# KiCad board open-TWIST_rev0.kicad_pcb (continued)
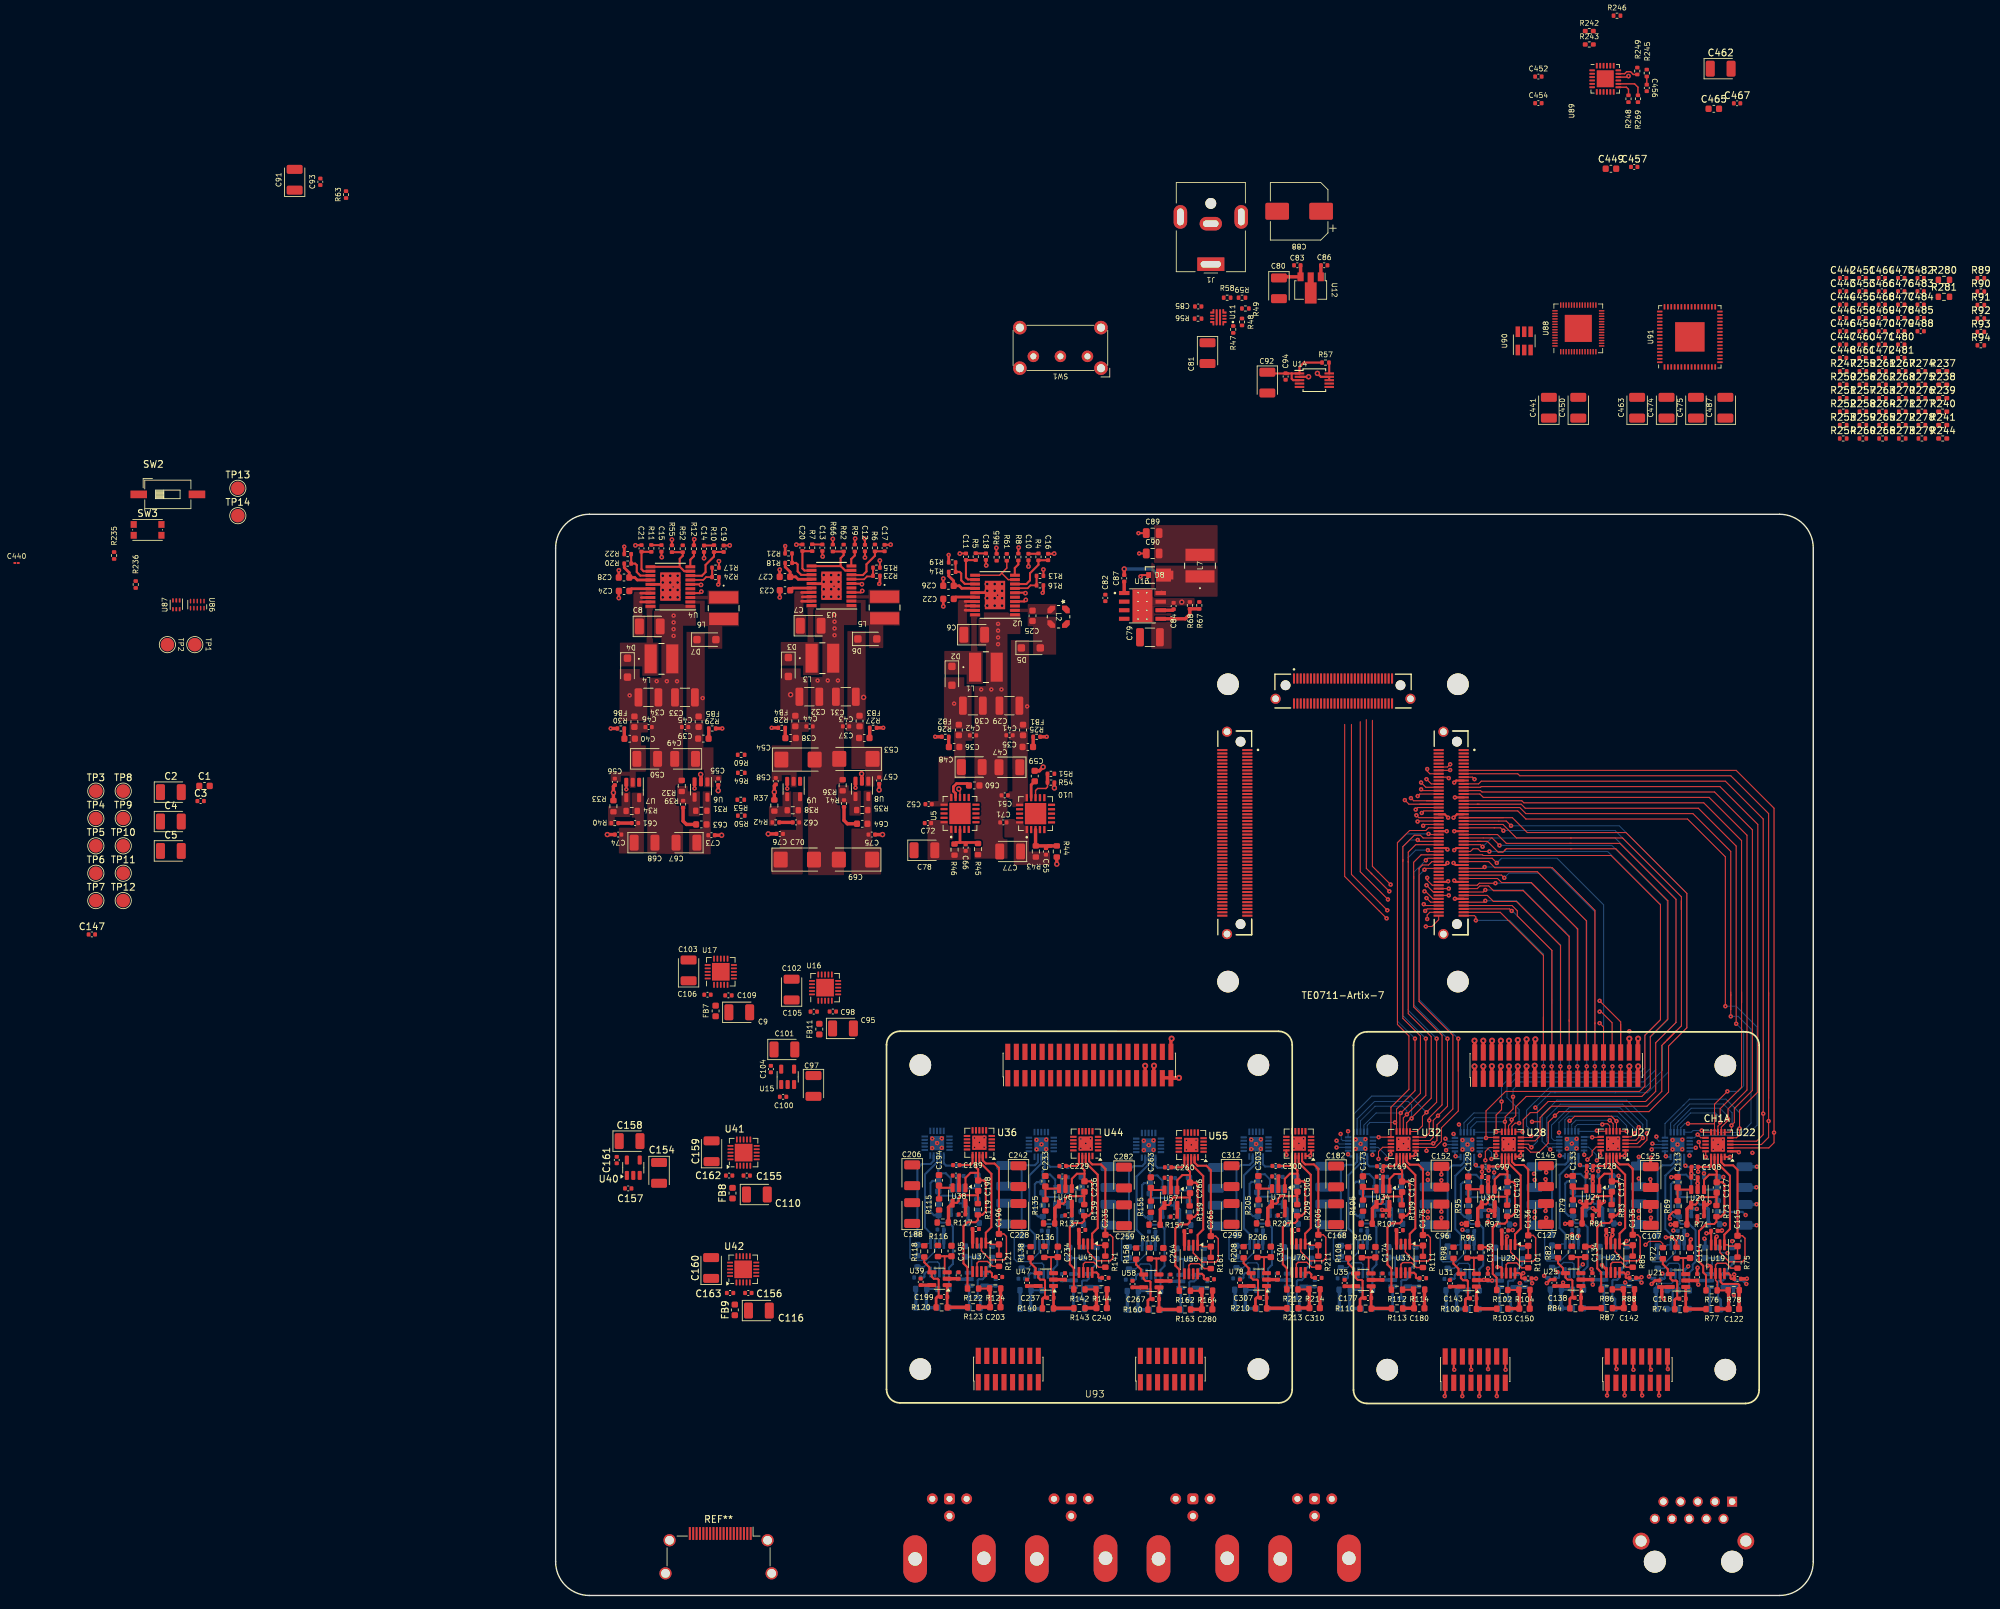
[diagram p0: board, top side]
## Placement (name value [footprint] x y rotation side) (continued)
C326  100nF  [C_0402_1005Metric]  100.69 46.92 0 bottom
C327  10uF  [CP_EIA-3528-21_Kemet-B]  113.53 61.97 270 bottom
C328  100nF  [C_0402_1005Metric]  104.13 54.02 0 bottom
C329  10uF  [CP_EIA-3528-21_Kemet-B]  97.64 56.21 90 bottom
C330  100nF  [C_0402_1005Metric]  91.11 63.3 180 bottom
C331  100nF  [C_0402_1005Metric]  91.16 61.75 180 bottom
C332  100nF  [C_0402_1005Metric]  90.26 56 180 bottom
C333  1uF  [C_0603_1608Metric]  93.67 61.04 270 bottom
C334  1uF  [C_0603_1608Metric]  91.83 50.59 270 bottom
C335  62pF  [C_0603_1608Metric]  84.8 52.34 270 bottom
C336  680nF  [C_0603_1608Metric]  87.88 60.26 90 bottom
C337  100nF  [C_0402_1005Metric]  92.92 43.8 180 bottom
C338  100nF  [C_0402_1005Metric]  90.77 46.97 270 bottom
C339  100nF  [C_0402_1005Metric]  96.38 46.02 270 bottom
C340  15pF  [C_0603_1608Metric]  85.35 42.28 180 bottom
C341  100nF  [C_0402_1005Metric]  84.8 46.74 0 bottom
C342  10uF  [CP_EIA-3528-21_Kemet-B]  97.64 61.79 270 bottom
C343  100nF  [C_0402_1005Metric]  88.24 53.84 0 bottom
C344  10uF  [CP_EIA-3528-21_Kemet-B]  128.98 56.4 90 bottom
C345  100nF  [C_0402_1005Metric]  122.45 63.5 180 bottom
C346  100nF  [C_0402_1005Metric]  122.5 61.95 180 bottom
C347  100nF  [C_0402_1005Metric]  121.6 56.2 180 bottom
C348  1uF  [C_0603_1608Metric]  125.01 61.24 270 bottom
C349  1uF  [C_0603_1608Metric]  123.16 50.79 270 bottom
C350  62pF  [C_0603_1608Metric]  116.14 52.54 270 bottom
C351  680nF  [C_0603_1608Metric]  119.22 60.45 90 bottom
C352  100nF  [C_0402_1005Metric]  124.26 43.99 180 bottom
C353  100nF  [C_0402_1005Metric]  122.11 47.16 270 bottom
C354  100nF  [C_0402_1005Metric]  127.72 46.21 270 bottom
C355  15pF  [C_0603_1608Metric]  116.69 42.48 180 bottom
C356  100nF  [C_0402_1005Metric]  116.14 46.94 0 bottom
C357  10uF  [CP_EIA-3528-21_Kemet-B]  128.98 61.99 270 bottom
C358  100nF  [C_0402_1005Metric]  119.58 54.04 0 bottom
C440  100nF  [C_01005_0402Metric]  -79.72 152.79 0 top
C441  10uF  [CP_EIA-3528-21_Kemet-B]  146.9 175.77 90 top
C442  100nF  [C_0402_1005Metric]  190.41 194.96 0 top
C443  100nF  [C_0402_1005Metric]  190.41 192.99 0 top
C444  100nF  [C_0402_1005Metric]  190.41 191.02 0 top
C445  100nF  [C_0402_1005Metric]  190.41 189.05 0 top
C446  100nF  [C_0402_1005Metric]  190.41 187.08 0 top
C447  xxpF  [C_0402_1005Metric]  190.41 185.11 0 top
C448  100nF  [C_0402_1005Metric]  190.41 183.14 0 top
C449  1uF  [C_0603_1608Metric]  156.08 211.13 0 top
C450  10uF  [CP_EIA-3528-21_Kemet-B]  151.25 175.77 90 top
C451  xxpF  [C_0402_1005Metric]  193.28 194.96 0 top
C452  xxpF  [C_0402_1005Metric]  145.35 224.77 0 top
C453  100nF  [C_0402_1005Metric]  193.28 192.99 0 top
C454  100nF  [C_0402_1005Metric]  145.35 220.83 0 top
C455  100nF  [C_0402_1005Metric]  193.28 191.02 0 top
C456  100nF  [C_0402_1005Metric]  161.38 223.09 270 top
C457  xxpF  [C_0402_1005Metric]  159.52 211.4 0 top
C458  100nF  [C_0402_1005Metric]  193.28 189.05 0 top
C459  100nF  [C_0402_1005Metric]  193.28 187.08 0 top
C460  100nF  [C_0402_1005Metric]  193.28 185.11 0 top
C461  100nF  [C_0402_1005Metric]  193.28 183.14 0 top
C462  10uF  [CP_EIA-3528-21_Kemet-B]  172.31 225.94 0 top
C463  10uF  [CP_EIA-3528-21_Kemet-B]  159.95 175.77 90 top
C464  100nF  [C_0402_1005Metric]  196.15 194.96 0 top
C465  1uF  [C_0603_1608Metric]  171.29 220 0 top
C466  100nF  [C_0402_1005Metric]  196.15 192.99 0 top
C467  100nF  [C_0402_1005Metric]  174.73 220.81 0 top
C468  100nF  [C_0402_1005Metric]  196.15 191.02 0 top
C469  100nF  [C_0402_1005Metric]  196.15 189.05 0 top
C470  100nF  [C_0402_1005Metric]  196.15 187.08 0 top
C471  100nF  [C_0402_1005Metric]  196.15 185.11 0 top
C472  xxpF  [C_0402_1005Metric]  196.15 183.14 0 top
C473  xxpF  [C_0402_1005Metric]  199.02 194.96 0 top
C474  10uF  [CP_EIA-3528-21_Kemet-B]  164.3 175.77 90 top
C475  10uF  [CP_EIA-3528-21_Kemet-B]  168.65 175.77 90 top
C476  100nF  [C_0402_1005Metric]  199.02 192.99 0 top
C477  100nF  [C_0402_1005Metric]  199.02 191.02 0 top
C478  100nF  [C_0402_1005Metric]  199.02 189.05 0 top
C479  100nF  [C_0402_1005Metric]  199.02 187.08 0 top
C480  100nF  [C_0402_1005Metric]  199.02 185.11 0 top
C481  100nF  [C_0402_1005Metric]  199.02 183.14 0 top
C482  100nF  [C_0402_1005Metric]  201.89 194.96 0 top
C483  100nF  [C_0402_1005Metric]  201.89 192.99 0 top
C484  100nF  [C_0402_1005Metric]  201.89 191.02 0 top
C485  100nF  [C_0402_1005Metric]  201.89 189.05 0 top
C487  10uF  [CP_EIA-3528-21_Kemet-B]  173 175.77 90 top
C488  100nF  [C_0402_1005Metric]  201.89 187.08 0 top
D2  DFLS240  [D_SOD-123F]  58.61 136.1 270 top
D3  DFLS240  [D_SOD-123F]  34.42 137.4 270 top
D4  DFLS240  [D_SOD-123F]  10.62 137.3 270 top
D5  DFLS240  [D_SOD-123F]  70.28 140.22 0 top
D6  DFLS240  [D_SOD-123F]  46.1 141.55 0 top
D7  DFLS240  [D_SOD-123F]  22.3 141.45 0 top
D8  V5NM63-M3/I  [V5NM63]  89.33 151 0 top
FB1  MPZ1608S101ATAH0  [L_0603_1608Metric]  69.13 128.07 270 top
FB2  MPZ1608S101ATAH0  [L_0603_1608Metric]  59.63 128.07 270 top
FB3  MPZ1608S101ATAH0  [L_0603_1608Metric]  44.95 129.4 270 top
FB4  MPZ1608S101ATAH0  [L_0603_1608Metric]  35.45 129.4 270 top
FB5  MPZ1608S101ATAH0  [L_0603_1608Metric]  21.15 129.3 270 top
FB6  MPZ1608S101ATAH0  [L_0603_1608Metric]  11.65 129.3 270 top
FB7  MPZ1608S101ATAH0  [L_0603_1608Metric]  23.66 86.5 90 top
FB8  MPZ1608S101ATAH0  [L_0603_1608Metric]  26.16 59.54 270 top
FB9  MPZ1608S101ATAH0  [L_0603_1608Metric]  26.5 42.26 90 top
FB11  MPZ1608S101ATAH0  [L_0603_1608Metric]  39 83.81 90 top
J1  Jack-DC  [BarrelJack_CUI_PJ-063AH_Horizontal]  96.9 197 180 top
J3  SS-641010S-A-NF  [BEL_SS-641010S-A-NF]  168.28 5 180 bottom
L1  74438357047 4.7uH  [IND_WE-MAPI_4020_WRE]  63.64 137.38 0 top
L2  LPD3015-222 2.2uH  [LPD3015-222]  74.38 144.84 270 top
L3  74438357068 6.8uH  [IND_WE-MAPI_4020_WRE]  39.46 138.7 0 top
L4  74438357068 6.8uH  [IND_WE-MAPI_4020_WRE]  15.66 138.6 0 top
L5  74438357068 6.8uH  [IND_WE-MAPI_4020_WRE]  48.65 146.2 270 top
L6  74438357068 6.8uH  [IND_WE-MAPI_4020_WRE]  24.85 146.1 270 top
L7  74438356022 2.2uH  [IND_WE-MAPI_4020_WRE]  95.3 152.4 90 top
R4  6k8  [R_0402_1005Metric]  71.41 153.69 270 top
R5  6k8  [R_0402_1005Metric]  62.13 153.72 90 top
R6  8k2  [R_0402_1005Metric]  47.22 155.02 270 top
R7  15k  [R_0402_1005Metric]  37.95 155.05 270 top
R8  100k  [R_0402_1005Metric]  68.43 153.68 270 top
R9  100k  [R_0402_1005Metric]  44.25 155 270 top
R10  8k2  [R_0402_1005Metric]  23.42 154.92 270 top
R11  12k  [R_0402_1005Metric]  14.15 154.95 270 top
R12  100k  [R_0402_1005Metric]  20.45 154.9 270 top
R13  110k  [R_0402_1005Metric]  71.63 150.88 180 top
R14  156k  [R_0402_1005Metric]  58.64 151.47 180 top
R15  122k  [R_0402_1005Metric]  47.45 152.1 0 top
R16  715k  [R_0402_1005Metric]  71.63 149.47 0 top
R17  102k  [R_0402_1005Metric]  23.65 152.1 0 top
R18  116k  [R_0402_1005Metric]  34.46 152.8 180 top
R19  1M33  [R_0402_1005Metric]  58.64 152.88 0 top
R20  110k  [R_0402_1005Metric]  10.66 152.7 180 top
R21  3M16  [R_0402_1005Metric]  34.45 154.2 180 top
R22  2M55  [R_0402_1005Metric]  10.66 154.1 180 top
R23  3M09  [R_0402_1005Metric]  47.45 150.9 0 top
R24  2M15  [R_0402_1005Metric]  23.65 150.7 0 top
R25  2R  [R_0402_1005Metric]  71.14 127.08 180 top
R26  2R  [R_0402_1005Metric]  57.63 127.08 180 top
R27  2R  [R_0402_1005Metric]  46.96 128.4 180 top
R28  2R  [R_0402_1005Metric]  33.45 128.4 180 top
R29  2R  [R_0402_1005Metric]  23.16 128.3 180 top
R30  2R  [R_0402_1005Metric]  9.65 128.3 180 top
R31  42k7 .1%  [R_0603_1608Metric]  21.55 116.12 180 top
R32  3K3 .1%  [R_0603_1608Metric]  18.65 119.8 90 top
R33  3K32 .1%  [R_0603_1608Metric]  8.55 116.8 270 top
R34  42K2 .1%  [R_0603_1608Metric]  11.25 116.1 0 top
R35  51k  [R_0603_1608Metric]  45.35 116.22 180 top
R36  3k25  [R_0603_1608Metric]  42.45 119.9 90 top
R37  3k35  [R_0603_1608Metric]  32.35 116.9 270 top
R38  51k5  [R_0603_1608Metric]  35.08 116.2 0 top
R39  330R  [R_0402_1005Metric]  18.85 117.1 270 top
R40  3k3  [R_0402_1005Metric]  8.75 114.3 0 top
R41  330R  [R_0402_1005Metric]  42.65 117.2 270 top
R42  3k3  [R_0402_1005Metric]  32.55 114.4 0 top
R43  25k7 .1%  [R_0603_1608Metric]  71.02 110.1 270 top
R44  10k .1%  [R_0603_1608Metric]  74.12 110.1 90 top
R45  102k .1%  [R_0603_1608Metric]  62.47 110.45 270 top
R46  332k .1%  [R_0603_1608Metric]  59 110.38 90 top
R47  470k  [R_0402_1005Metric]  100.22 187.35 270 top
R48  115k  [R_0402_1005Metric]  101.52 188.46 90 top
R49  57k  [R_0402_1005Metric]  102.02 190.45 0 top
R50  82k  [R_0402_1005Metric]  27.46 115.4 180 top
R51  82k  [R_0402_1005Metric]  73.26 121.59 180 top
R52  82k  [R_0402_1005Metric]  18.8 154.9 270 top
R53  47k  [R_0402_1005Metric]  27.39 117.75 180 top
R54  47k  [R_0402_1005Metric]  73.26 120.29 180 top
R55  47k  [R_0402_1005Metric]  17.2 154.9 270 top
R56  ??  [R_0402_1005Metric]  95.02 188.95 180 top
R57  23k  [R_0402_1005Metric]  113.86 182.45 0 top
R58  47k  [R_0402_1005Metric]  99.31 192.05 0 top
R59  15k8  [R_0402_1005Metric]  101.52 192.05 0 top
R60  82k  [R_0402_1005Metric]  27.44 124.4 180 top
R61  82k  [R_0402_1005Metric]  66.72 153.63 270 top
R62  82k  [R_0402_1005Metric]  42.6 155 270 top
R63  10k  [R_0402_1005Metric]  -31 207.3 90 top
R64  47k  [R_0402_1005Metric]  27.46 121.73 180 top
R65  47k  [R_0402_1005Metric]  65.22 153.63 270 top
R66  47k  [R_0402_1005Metric]  41 155 270 top
R67  100k  [R_0402_1005Metric]  95.2 146.51 90 top
R68  29k4  [R_0402_1005Metric]  93.8 146.51 270 top
R69  15k  [R_0603_1608Metric]  165.94 57.59 90 top
R70  15k  [R_0603_1608Metric]  165.78 50.71 270 top
R71  1k  [R_0603_1608Metric]  166.49 54.92 0 top
R72  10k 0.1%  [R_0603_1608Metric]  163.75 50.66 270 top
R73  2k3  [R_0603_1608Metric]  171.68 56.89 270 top
R74  10k 0.1%  [R_0603_1608Metric]  166.32 42.36 0 top
R75  10k 0.1%  [R_0603_1608Metric]  174.8 49.26 90 top
R76  20k  [R_0603_1608Metric]  170.97 45.15 180 top
R77  20k  [R_0603_1608Metric]  170.97 42.38 180 top
R78  20k 0.1%  [R_0603_1608Metric]  174.24 45.17 0 top
R79  15k  [R_0603_1608Metric]  150.44 57.73 90 top
R80  15k  [R_0603_1608Metric]  150.28 50.85 270 top
R81  1k  [R_0603_1608Metric]  150.99 55.06 0 top
R82  10k 0.1%  [R_0603_1608Metric]  148.25 50.8 270 top
R83  2k3  [R_0603_1608Metric]  156.18 57.03 270 top
R84  10k 0.1%  [R_0603_1608Metric]  150.82 42.5 0 top
R85  10k 0.1%  [R_0603_1608Metric]  159.3 49.4 90 top
R86  20k  [R_0603_1608Metric]  155.47 45.29 180 top
R87  20k  [R_0603_1608Metric]  155.47 42.52 180 top
R88  20k 0.1%  [R_0603_1608Metric]  158.74 45.31 0 top
R89  10k  [R_0402_1005Metric]  210.79 194.95 0 top
R90  10k  [R_0402_1005Metric]  210.79 192.96 0 top
R91  10k  [R_0402_1005Metric]  210.79 190.97 0 top
R92  10k  [R_0402_1005Metric]  210.79 188.98 0 top
R93  10k  [R_0402_1005Metric]  210.79 186.99 0 top
R94  10k  [R_0402_1005Metric]  210.79 185 0 top
R95  15k  [R_0603_1608Metric]  134.98 57.64 90 top
R96  15k  [R_0603_1608Metric]  134.82 50.76 270 top
R97  1k  [R_0603_1608Metric]  135.53 54.97 0 top
R98  10k 0.1%  [R_0603_1608Metric]  132.79 50.71 270 top
R99  2k3  [R_0603_1608Metric]  140.72 56.94 270 top
R100  10k 0.1%  [R_0603_1608Metric]  135.37 42.41 0 top
R101  10k 0.1%  [R_0603_1608Metric]  143.84 49.31 90 top
R102  20k  [R_0603_1608Metric]  140 45.21 180 top
R103  20k  [R_0603_1608Metric]  140.01 42.44 180 top
R104  20k 0.1%  [R_0603_1608Metric]  143.28 45.22 0 top
R105  15k  [R_0603_1608Metric]  119.41 57.69 90 top
R106  15k  [R_0603_1608Metric]  119.25 50.81 270 top
R107  1k  [R_0603_1608Metric]  119.96 55.02 0 top
R108  10k 0.1%  [R_0603_1608Metric]  117.22 50.76 270 top
R109  2k3  [R_0603_1608Metric]  125.15 56.98 270 top
R110  10k 0.1%  [R_0603_1608Metric]  119.79 42.46 0 top
R111  10k 0.1%  [R_0603_1608Metric]  128.27 49.36 90 top
R112  20k  [R_0603_1608Metric]  124.44 45.25 180 top
R113  20k  [R_0603_1608Metric]  124.44 42.48 180 top
R114  20k 0.1%  [R_0603_1608Metric]  127.71 45.27 0 top
R115  15k  [R_0603_1608Metric]  56.71 57.86 90 top
R116  15k  [R_0603_1608Metric]  56.55 50.98 270 top
R117  1k  [R_0603_1608Metric]  57.26 55.19 0 top
R118  10k 0.1%  [R_0603_1608Metric]  54.52 50.93 270 top
R119  2k3  [R_0603_1608Metric]  62.45 57.16 270 top
R120  10k 0.1%  [R_0603_1608Metric]  57.09 42.63 0 top
R121  10k 0.1%  [R_0603_1608Metric]  65.57 49.53 90 top
R122  20k  [R_0603_1608Metric]  61.73 45.42 180 top
R123  20k  [R_0603_1608Metric]  61.75 42.65 180 top
R124  20k 0.1%  [R_0603_1608Metric]  65.01 45.44 0 top
R125  15k  [R_0603_1608Metric]  62.37 57.79 90 bottom
R126  15k  [R_0603_1608Metric]  62.53 50.91 270 bottom
R127  1k  [R_0603_1608Metric]  61.82 55.12 180 bottom
R128  10k 0.1%  [R_0603_1608Metric]  64.56 50.86 270 bottom
R129  2k3  [R_0603_1608Metric]  56.63 57.08 270 bottom
R130  10k 0.1%  [R_0603_1608Metric]  61.98 42.56 180 bottom
R131  10k 0.1%  [R_0603_1608Metric]  53.51 49.46 90 bottom
R132  20k  [R_0603_1608Metric]  57.34 45.35 0 bottom
R133  20k  [R_0603_1608Metric]  57.33 42.58 0 bottom
R134  20k 0.1%  [R_0603_1608Metric]  54.07 45.37 180 bottom
R135  15k  [R_0603_1608Metric]  72.44 57.73 90 top
R136  15k  [R_0603_1608Metric]  72.28 50.85 270 top
R137  1k  [R_0603_1608Metric]  72.99 55.06 0 top
R138  10k 0.1%  [R_0603_1608Metric]  70.25 50.8 270 top
R139  2k3  [R_0603_1608Metric]  78.18 57.03 270 top
R140  10k 0.1%  [R_0603_1608Metric]  72.83 42.5 0 top
R141  10k 0.1%  [R_0603_1608Metric]  81.3 49.4 90 top
R142  20k  [R_0603_1608Metric]  77.47 45.29 180 top
R143  20k  [R_0603_1608Metric]  77.47 42.52 180 top
R144  20k 0.1%  [R_0603_1608Metric]  80.74 45.31 0 top
R145  15k  [R_0603_1608Metric]  77.79 57.61 90 bottom
R146  15k  [R_0603_1608Metric]  77.95 50.72 270 bottom
R147  1k  [R_0603_1608Metric]  77.24 54.94 180 bottom
R148  10k 0.1%  [R_0603_1608Metric]  79.98 50.67 270 bottom
R149  2k3  [R_0603_1608Metric]  72.05 56.9 270 bottom
R150  10k 0.1%  [R_0603_1608Metric]  77.41 42.38 180 bottom
R151  10k 0.1%  [R_0603_1608Metric]  68.93 49.28 90 bottom
R152  20k  [R_0603_1608Metric]  72.77 45.17 0 bottom
R153  20k  [R_0603_1608Metric]  72.76 42.4 0 bottom
R154  20k 0.1%  [R_0603_1608Metric]  69.49 45.19 180 bottom
R155  15k  [R_0603_1608Metric]  88.04 57.53 90 top
R156  15k  [R_0603_1608Metric]  87.88 50.65 270 top
R157  1k  [R_0603_1608Metric]  88.59 54.86 0 top
R158  10k 0.1%  [R_0603_1608Metric]  85.85 50.6 270 top
R159  2k3  [R_0603_1608Metric]  93.78 56.83 270 top
R160  10k 0.1%  [R_0603_1608Metric]  88.42 42.3 0 top
R161  10k 0.1%  [R_0603_1608Metric]  96.9 49.2 90 top
R162  20k  [R_0603_1608Metric]  93.06 45.09 180 top
R163  20k  [R_0603_1608Metric]  93.08 42.32 180 top
R164  20k 0.1%  [R_0603_1608Metric]  96.34 45.11 0 top
R165  15k  [R_0603_1608Metric]  140.8 57.58 90 bottom
R166  15k  [R_0603_1608Metric]  140.96 50.69 270 bottom
R167  1k  [R_0603_1608Metric]  140.25 54.91 180 bottom
R168  10k 0.1%  [R_0603_1608Metric]  142.99 50.64 270 bottom
R169  2k3  [R_0603_1608Metric]  135.06 56.87 270 bottom
R170  10k 0.1%  [R_0603_1608Metric]  140.42 42.35 180 bottom
R171  10k 0.1%  [R_0603_1608Metric]  131.94 49.25 90 bottom
R172  20k  [R_0603_1608Metric]  135.78 45.14 0 bottom
R173  20k  [R_0603_1608Metric]  135.77 42.37 0 bottom
R174  20k 0.1%  [R_0603_1608Metric]  132.5 45.16 180 bottom
R175  15k  [R_0603_1608Metric]  171.86 57.59 90 bottom
R176  15k  [R_0603_1608Metric]  172.03 50.71 270 bottom
R177  1k  [R_0603_1608Metric]  171.31 54.92 180 bottom
R178  10k 0.1%  [R_0603_1608Metric]  174.05 50.66 270 bottom
R179  2k3  [R_0603_1608Metric]  166.12 56.89 270 bottom
R180  10k 0.1%  [R_0603_1608Metric]  171.48 42.36 180 bottom
R181  10k 0.1%  [R_0603_1608Metric]  163 49.26 90 bottom
R182  20k  [R_0603_1608Metric]  166.84 45.15 0 bottom
R183  20k  [R_0603_1608Metric]  166.83 42.38 0 bottom
R184  20k 0.1%  [R_0603_1608Metric]  163.56 45.17 180 bottom
R185  15k  [R_0603_1608Metric]  156.23 57.71 90 bottom
R186  15k  [R_0603_1608Metric]  156.4 50.83 270 bottom
R187  1k  [R_0603_1608Metric]  155.68 55.04 180 bottom
R188  10k 0.1%  [R_0603_1608Metric]  158.42 50.78 270 bottom
R189  2k3  [R_0603_1608Metric]  150.49 57 270 bottom
R190  10k 0.1%  [R_0603_1608Metric]  155.85 42.48 180 bottom
R191  10k 0.1%  [R_0603_1608Metric]  147.37 49.38 90 bottom
R192  20k  [R_0603_1608Metric]  151.21 45.27 0 bottom
R193  20k  [R_0603_1608Metric]  151.2 42.5 0 bottom
R194  20k 0.1%  [R_0603_1608Metric]  147.93 45.29 180 bottom
R195  15k  [R_0603_1608Metric]  109.55 57.65 90 bottom
R196  15k  [R_0603_1608Metric]  109.72 50.77 270 bottom
R197  1k  [R_0603_1608Metric]  109 54.98 180 bottom
R198  10k 0.1%  [R_0603_1608Metric]  111.74 50.72 270 bottom
R199  2k3  [R_0603_1608Metric]  103.81 56.95 270 bottom
R200  10k 0.1%  [R_0603_1608Metric]  109.17 42.42 180 bottom
R201  10k 0.1%  [R_0603_1608Metric]  100.69 49.32 90 bottom
R202  20k  [R_0603_1608Metric]  104.53 45.21 0 bottom
R203  20k  [R_0603_1608Metric]  104.52 42.44 0 bottom
R204  20k 0.1%  [R_0603_1608Metric]  101.26 45.23 180 bottom
R205  15k  [R_0603_1608Metric]  103.94 57.73 90 top
R206  15k  [R_0603_1608Metric]  103.78 50.85 270 top
R207  1k  [R_0603_1608Metric]  104.49 55.06 0 top
R208  10k 0.1%  [R_0603_1608Metric]  101.75 50.8 270 top
R209  2k3  [R_0603_1608Metric]  109.68 57.03 270 top
R210  10k 0.1%  [R_0603_1608Metric]  104.33 42.5 0 top
R211  10k 0.1%  [R_0603_1608Metric]  112.8 49.4 90 top
R212  20k  [R_0603_1608Metric]  108.97 45.29 180 top
R213  20k  [R_0603_1608Metric]  108.97 42.52 180 top
R214  20k 0.1%  [R_0603_1608Metric]  112.24 45.31 0 top
R215  15k  [R_0603_1608Metric]  93.66 57.47 90 bottom
R216  15k  [R_0603_1608Metric]  93.83 50.59 270 bottom
R217  1k  [R_0603_1608Metric]  93.11 54.8 180 bottom
R218  10k 0.1%  [R_0603_1608Metric]  95.85 50.54 270 bottom
R219  2k3  [R_0603_1608Metric]  87.92 56.77 270 bottom
R220  10k 0.1%  [R_0603_1608Metric]  93.28 42.24 180 bottom
R221  10k 0.1%  [R_0603_1608Metric]  84.8 49.14 90 bottom
R222  20k  [R_0603_1608Metric]  88.64 45.03 0 bottom
R223  20k  [R_0603_1608Metric]  88.63 42.26 0 bottom
R224  20k 0.1%  [R_0603_1608Metric]  85.36 45.05 180 bottom
R225  15k  [R_0603_1608Metric]  125 57.67 90 bottom
R226  15k  [R_0603_1608Metric]  125.16 50.79 270 bottom
R227  1k  [R_0603_1608Metric]  124.45 55 180 bottom
R228  10k 0.1%  [R_0603_1608Metric]  127.19 50.74 270 bottom
R229  2k3  [R_0603_1608Metric]  119.26 56.97 270 bottom
R230  10k 0.1%  [R_0603_1608Metric]  124.62 42.44 180 bottom
R231  10k 0.1%  [R_0603_1608Metric]  116.14 49.34 90 bottom
R232  20k  [R_0603_1608Metric]  119.98 45.23 0 bottom
R233  20k  [R_0603_1608Metric]  119.97 42.46 0 bottom
R234  20k 0.1%  [R_0603_1608Metric]  116.7 45.25 180 bottom
R235  5k1  [R_0402_1005Metric]  -65.3 153.9 90 top
R236  5k1  [R_0402_1005Metric]  -62.1 149.6 90 top
R237  10k  [R_0402_1005Metric_Pad0.72x0.64mm_HandSolder]  205.15 181.16 0 top
R238  10k  [R_0402_1005Metric_Pad0.72x0.64mm_HandSolder]  205.15 179.17 0 top
R239  10k  [R_0402_1005Metric_Pad0.72x0.64mm_HandSolder]  205.15 177.18 0 top
R240  10k  [R_0402_1005Metric_Pad0.72x0.64mm_HandSolder]  205.15 175.19 0 top
R241  10k  [R_0402_1005Metric_Pad0.72x0.64mm_HandSolder]  205.15 173.2 0 top
R242  100k  [R_0402_1005Metric_Pad0.72x0.64mm_HandSolder]  152.88 231.51 0 top
R243  100k  [R_0402_1005Metric_Pad0.72x0.64mm_HandSolder]  152.88 229.52 0 top
R244  10k  [R_0402_1005Metric_Pad0.72x0.64mm_HandSolder]  205.15 171.21 0 top
R245  100k  [R_0402_1005Metric]  161.38 225.29 90 top
R246  12k  [R_0402_1005Metric]  156.97 233.78 0 top
R247  1k6  [R_0402_1005Metric]  190.43 181.16 0 top
R248  62k  [R_0402_1005Metric]  158.68 221.49 270 top
R249  62k  [R_0402_1005Metric]  159.97 225.59 90 top
R250  33R  [R_0402_1005Metric]  190.43 179.17 0 top
R251  33R  [R_0402_1005Metric]  190.43 177.18 0 top
R252  33R  [R_0402_1005Metric]  190.43 175.19 0 top
R253  33R  [R_0402_1005Metric]  190.43 173.2 0 top
R254  33R  [R_0402_1005Metric]  190.43 171.21 0 top
R255  33R  [R_0402_1005Metric]  193.34 181.16 0 top
R256  33R  [R_0402_1005Metric]  193.34 179.17 0 top
R257  33R  [R_0402_1005Metric]  193.34 177.18 0 top
R258  33R  [R_0402_1005Metric]  193.34 175.19 0 top
R259  33R  [R_0402_1005Metric]  193.34 173.2 0 top
R260  33R  [R_0402_1005Metric]  193.34 171.21 0 top
R261  33R  [R_0402_1005Metric]  196.25 181.16 0 top
R262  33R  [R_0402_1005Metric]  196.25 179.17 0 top
R263  33R  [R_0402_1005Metric]  196.25 177.18 0 top
R264  33R  [R_0402_1005Metric]  196.25 175.19 0 top
R265  33R  [R_0402_1005Metric]  196.25 173.2 0 top
R266  33R  [R_0402_1005Metric]  196.25 171.21 0 top
R267  33R  [R_0402_1005Metric]  199.16 181.16 0 top
R268  33R  [R_0402_1005Metric]  199.16 179.17 0 top
R269  62k  [R_0402_1005Metric]  160.07 221.49 270 top
R270  10k  [R_0402_1005Metric]  199.16 177.18 0 top
R271  10k  [R_0402_1005Metric]  199.16 175.19 0 top
R272  10k  [R_0402_1005Metric]  199.16 173.2 0 top
R273  10k  [R_0402_1005Metric]  199.16 171.21 0 top
R274  12k  [R_0402_1005Metric]  202.07 181.16 0 top
R275  10k  [R_0402_1005Metric]  202.07 179.17 0 top
R276  10k  [R_0402_1005Metric]  202.07 177.18 0 top
R277  2k2  [R_0402_1005Metric]  202.07 175.19 0 top
R278  10k  [R_0402_1005Metric]  202.07 173.2 0 top
R279  10k  [R_0402_1005Metric]  202.07 171.21 0 top
R280  200R  [R_0603_1608Metric]  205.33 194.69 0 top
R281  200R  [R_0603_1608Metric]  205.33 192.18 0 top
REF**  -  [HDMI_A_Amphenol_10029449-x01xLF_Horizontal]  24.1 4.18 0 top
REF**#2  -  [BNC_Amphenol_031-6575_Horizontal]  58.25 14.3 0 bottom
REF**#3  -  [BNC_Amphenol_031-6575_Horizontal]  94.25 14.3 0 bottom
REF**#4  -  [BNC_Amphenol_031-6575_Horizontal]  112.25 14.3 0 bottom
REF**#5  -  [BNC_Amphenol_031-6575_Horizontal]  76.25 14.3 0 bottom
SW1  SW_SPDT  [SW_E-Switch_EG1224_SPDT_Angled]  78.66 183.37 180 top
SW2  JTAG_SEL  [SW_DIP_SPSTx01_Slide_6.7x4.1mm_W8.61mm_P2.54mm_LowProfile]  -57.35 162.94 0 top
SW3  SW_DIP_x01  [SW_Push_1P1T_NO_CK_KMR2]  -60.35 157.69 0 top
TP1  +6VA_DC  [TestPoint_Pad_D2.0mm]  -53.37 140.7 270 top
TP2  -6VA_DC  [TestPoint_Pad_D2.0mm]  -57.42 140.7 270 top
TP3  -VANH_DC_TP  [TestPoint_Pad_D2.0mm]  -68 119.03 0 top
TP4  +VANH_DC_TP  [TestPoint_Pad_D2.0mm]  -68 114.98 0 top
TP5  -VANL_DC_TP  [TestPoint_Pad_D2.0mm]  -68 110.93 0 top
TP6  +VANL_DC_TP  [TestPoint_Pad_D2.0mm]  -68 106.88 0 top
TP7  +5VA  [TestPoint_Pad_D2.0mm]  -68 102.83 0 top
TP8  -5VA  [TestPoint_Pad_D2.0mm]  -63.95 119.03 0 top
TP9  +VANL  [TestPoint_Pad_D2.0mm]  -63.95 114.98 0 top
TP10  -VANL  [TestPoint_Pad_D2.0mm]  -63.95 110.93 0 top
TP11  +VANH  [TestPoint_Pad_D2.0mm]  -63.95 106.88 0 top
TP12  -VANH  [TestPoint_Pad_D2.0mm]  -63.95 102.83 0 top
TP13  +3V3D  [TestPoint_Pad_D2.0mm]  -47 163.84 0 top
TP14  +5V_startup  [TestPoint_Pad_D2.0mm]  -47 159.79 0 top
U2  ADP5071  [ETSSOP-20-1EP_4.4x6.5mm_P0.65mm_EP3x4.2mm]  64.98 148.05 180 top
U3  ADP5070  [ETSSOP-20-1EP_4.4x6.5mm_P0.65mm_EP3x4.2mm]  40.8 149.43 180 top
U4  ADP5070  [ETSSOP-20-1EP_4.4x6.5mm_P0.65mm_EP3x4.2mm]  16.98 149.3 180 top
U5  -  [TPS7A3301RGWR]  59.81 115.72 90 top
U6  ADP7142AUJZ  [TSOT-23-5]  21.5 119.26 270 top
U7  ADP7182AUJZ  [TSOT-23-5]  11.4 119.2 270 top
U8  ADP7142AUJZ  [TSOT-23-5]  45.3 119.36 270 top
U9  ADP7182AUJZ  [TSOT-23-5]  35.2 119.34 270 top
U10  -  [TPS7A4701RGWR]  70.98 115.7 90 top
U11  LM73100RPWR  [IC_LM73100RPWR]  98.02 189.15 180 top
U12  L78L05_SOT89  [SOT-89-3]  111.68 193.19 270 top
U13  -  [LMR14050SDDAQ1]  86.79 146.44 0 top
U14  LTC6902  [MSOP-10_3x3mm_P0.5mm]  112.22 179.84 0 top
U15  OPA202IDBVT  [SOT-23-5]  34.31 76.75 90 top
U16  AD5676BRUZ  [LFCSP-20-1EP_4x4mm_P0.5mm_EP2.6x2.6mm]  39.85 89.95 90 top
U17  AD5676BRUZ  [LFCSP-20-1EP_4x4mm_P0.5mm_EP2.6x2.6mm]  24.42 92.3 90 top
U18  ~  [DAUGHTER_BOARD]  118 28.42 0 top
U19  ADA4807  [MSOP-8_3x3mm_P0.65mm]  171.88 49.77 270 top
U20  OPA202IDBVT  [SOT-23-5]  168.9 58.93 270 top
U21  OPA202IDBVT  [SOT-23-5]  166 46.61 180 top
U22  AD5445YCPZ  [LFCSP-20-1EP_4x4mm_P0.5mm_EP2.1x2.1mm]  171.9 66.73 180 top
U23  ADA4807  [MSOP-8_3x3mm_P0.65mm]  156.38 49.91 270 top
U24  OPA202IDBVT  [SOT-23-5]  153.4 59.07 270 top
U25  OPA202IDBVT  [SOT-23-5]  150.5 46.75 180 top
U26  -  [TE0711-Artix-7]  100.57 98.27 0 top
U27  AD5445YCPZ  [LFCSP-20-1EP_4x4mm_P0.5mm_EP2.1x2.1mm]  156.4 66.87 180 top
U28  AD5445YCPZ  [LFCSP-20-1EP_4x4mm_P0.5mm_EP2.1x2.1mm]  140.94 66.78 180 top
U29  ADA4807  [MSOP-8_3x3mm_P0.65mm]  140.92 49.83 270 top
U30  OPA202IDBVT  [SOT-23-5]  137.94 58.98 270 top
U31  OPA202IDBVT  [SOT-23-5]  135.04 46.66 180 top
U32  AD5445YCPZ  [LFCSP-20-1EP_4x4mm_P0.5mm_EP2.1x2.1mm]  125.37 66.83 180 top
U33  ADA4807  [MSOP-8_3x3mm_P0.65mm]  125.35 49.87 270 top
U34  OPA202IDBVT  [SOT-23-5]  122.37 59.03 270 top
U35  OPA202IDBVT  [SOT-23-5]  119.47 46.71 180 top
U36  AD5445YCPZ  [LFCSP-20-1EP_4x4mm_P0.5mm_EP2.1x2.1mm]  62.67 67 180 top
U37  ADA4807  [MSOP-8_3x3mm_P0.65mm]  62.65 50.04 270 top
U38  OPA202IDBVT  [SOT-23-5]  59.67 59.2 270 top
U39  OPA202IDBVT  [SOT-23-5]  56.77 46.88 180 top
U40  OPA202IDBVT  [SOT-23-5]  11.49 63.3 90 top
U41  AD5676BRUZ  [LFCSP-20-1EP_4x4mm_P0.5mm_EP2.6x2.6mm]  27.8 65.54 90 top
U42  AD5676BRUZ  [LFCSP-20-1EP_4x4mm_P0.5mm_EP2.6x2.6mm]  27.74 48.26 90 top
U43  AD5445YCPZ  [LFCSP-20-1EP_4x4mm_P0.5mm_EP2.1x2.1mm]  56.41 66.93 0 bottom
U44  AD5445YCPZ  [LFCSP-20-1EP_4x4mm_P0.5mm_EP2.1x2.1mm]  78.4 66.87 180 top
U45  ADA4807  [MSOP-8_3x3mm_P0.65mm]  78.38 49.91 270 top
U46  OPA202IDBVT  [SOT-23-5]  75.4 59.07 270 top
U47  OPA202IDBVT  [SOT-23-5]  72.5 46.75 180 top
U48  ADA4807  [MSOP-8_3x3mm_P0.65mm]  56.43 49.97 270 bottom
U49  OPA202IDBVT  [SOT-23-5]  59.41 59.12 270 bottom
U50  OPA202IDBVT  [SOT-23-5]  62.31 46.81 0 bottom
U51  AD5445YCPZ  [LFCSP-20-1EP_4x4mm_P0.5mm_EP2.1x2.1mm]  71.83 66.75 0 bottom
U52  ADA4807  [MSOP-8_3x3mm_P0.65mm]  71.86 49.79 270 bottom
U53  OPA202IDBVT  [SOT-23-5]  74.83 58.94 270 bottom
U54  OPA202IDBVT  [SOT-23-5]  77.73 46.62 0 bottom
U55  AD5445YCPZ  [LFCSP-20-1EP_4x4mm_P0.5mm_EP2.1x2.1mm]  94 66.67 180 top
U56  ADA4807  [MSOP-8_3x3mm_P0.65mm]  93.98 49.71 270 top
U57  OPA202IDBVT  [SOT-23-5]  91 58.87 270 top
U58  OPA202IDBVT  [SOT-23-5]  88.1 46.55 180 top
U59  AD5445YCPZ  [LFCSP-20-1EP_4x4mm_P0.5mm_EP2.1x2.1mm]  134.84 66.72 0 bottom
U60  ADA4807  [MSOP-8_3x3mm_P0.65mm]  134.86 49.76 270 bottom
U61  OPA202IDBVT  [SOT-23-5]  137.84 58.91 270 bottom
U62  OPA202IDBVT  [SOT-23-5]  140.74 46.59 0 bottom
U63  AD5445YCPZ  [LFCSP-20-1EP_4x4mm_P0.5mm_EP2.1x2.1mm]  165.9 66.73 0 bottom
U64  ADA4807  [MSOP-8_3x3mm_P0.65mm]  165.93 49.77 270 bottom
U65  OPA202IDBVT  [SOT-23-5]  168.9 58.93 270 bottom
U66  OPA202IDBVT  [SOT-23-5]  171.8 46.61 0 bottom
U67  AD5445YCPZ  [LFCSP-20-1EP_4x4mm_P0.5mm_EP2.1x2.1mm]  150.27 66.85 0 bottom
U68  ADA4807  [MSOP-8_3x3mm_P0.65mm]  150.29 49.89 270 bottom
U69  OPA202IDBVT  [SOT-23-5]  153.27 59.05 270 bottom
U70  OPA202IDBVT  [SOT-23-5]  156.17 46.73 0 bottom
U71  AD5445YCPZ  [LFCSP-20-1EP_4x4mm_P0.5mm_EP2.1x2.1mm]  103.59 66.79 0 bottom
U72  ADA4807  [MSOP-8_3x3mm_P0.65mm]  103.62 49.83 270 bottom
U73  OPA202IDBVT  [SOT-23-5]  106.6 58.99 270 bottom
U74  OPA202IDBVT  [SOT-23-5]  109.49 46.67 0 bottom
U75  AD5445YCPZ  [LFCSP-20-1EP_4x4mm_P0.5mm_EP2.1x2.1mm]  109.9 66.87 180 top
U76  ADA4807  [MSOP-8_3x3mm_P0.65mm]  109.88 49.91 270 top
U77  OPA202IDBVT  [SOT-23-5]  106.9 59.07 270 top
U78  OPA202IDBVT  [SOT-23-5]  104 46.75 180 top
U79  AD5445YCPZ  [LFCSP-20-1EP_4x4mm_P0.5mm_EP2.1x2.1mm]  87.7 66.61 0 bottom
U80  ADA4807  [MSOP-8_3x3mm_P0.65mm]  87.72 49.66 270 bottom
U81  OPA202IDBVT  [SOT-23-5]  90.7 58.81 270 bottom
U82  OPA202IDBVT  [SOT-23-5]  93.6 46.49 0 bottom
U83  AD5445YCPZ  [LFCSP-20-1EP_4x4mm_P0.5mm_EP2.1x2.1mm]  119.04 66.81 0 bottom
U84  ADA4807  [MSOP-8_3x3mm_P0.65mm]  119.06 49.85 270 bottom
U85  OPA202IDBVT  [SOT-23-5]  122.04 59 270 bottom
U86  ECMF04-4HSWM10  [UDFN-10_1.35x2.6mm_P0.5mm]  -53 146.62 270 top
U87  ECMF02-2AMX6  [ST_UQFN-6L_1.5x1.7mm_P0.5mm]  -56.1 146.6 270 top
U88  FT601Q-B  [QFN-56-1EP_7x7mm_P0.4mm_EP4x4mm]  151.25 187.5 90 top
U89  USB2422-I/MJ  [SQFN-24]  154.44 219.34 0 top
U90  93LC46BT-I/OT  [SOT-23-6_Handsoldering]  143.25 185.66 90 top
U91  FT2232HQ  [QFN-64-1EP_9x9mm_P0.5mm_EP4.35x4.35mm]  167.75 186.25 90 top
U92  OPA202IDBVT  [SOT-23-5]  124.94 46.69 0 bottom
U93  ~  [DAUGHTER_BOARD]  48.94 28.5 0 top

## Library data of the parts
C1 C3 C10-C46 C51 C52 C55-C66 C71-C76 C79 C82-C87 C89 C90 C93 C94 C98-C100 C104-C106 C108 C109 C111-C115 C117-C124 C126 C128-C144 C146-C151 C153 C155-C157 C161-C163 C165-C167 C169-C181 C183-C187 C189-C203 C205 C207 C208 C210-C221 C223 C225-C227 C229-C241 C243-C251 C253 C255-C258 C260-C277 C279-C281 C283 C285-C296 C298 C300-C311 C313 C315-C326 C328 C330-C341 C343 C345-C356 C358 C440 C442-C449 C451-C461 C464-C473 C476-C485 C488 = -: ki_fp_filters: C_*
C2 C4-C9 C47-C50 C53 C54 C67-C70 C77 C78 C80 C81 C88 C91 C92 C95-C97 C101-C103 C107 C110 C116 C125 C127 C145 C152 C154 C158-C160 C164 C168 C182 C188 C204 C206 C209 C222 C224 C228 C242 C252 C254 C259 C278 C282 C284 C297 C299 C312 C314 C327 C329 C342 C344 C357 C441 C450 C462 C463 C474 C475 C487 = -: ki_fp_filters: CP_*
D2-D7 = -: Sim.Device: D; Sim.Pins: 1=K 2=A; ki_fp_filters: TO-???* *_Diode_* *SingleDiode* D_*
D8 = -: Datasheet: V5NM63; ki_fp_filters: DFN3820A_VIS
FB1-FB9 FB11 = -: ki_fp_filters: Inductor_* L_* *Ferrite*
J1 = -: ki_fp_filters: BarrelJack*
J3 = -: Description: Modular Jack | Standard | Horizontal (90) | 10P 10C | NF Shielded; Availability: In Stock; Check_prices: https://www.snapeda.com/parts/SS-641010S-A-NF/Stewart+Connector/view-part/?ref=eda; MANUFACTURER: Bel Fuse; MAXIMUM_PACKAGE_HEIGHT: 13.97 mm; MF: Stewart Connector; PARTREV: A11; Package: None; Price: None; Purchase-URL: https://www.snapeda.com/api/url_track_click_mouser/?unipart_id=649188&manufacturer=Stewart Connector&part_name=SS-641010S-A-NF&search_term=ss-641010s-a-nf; STANDARD: Manufacturer Recommendations; SnapEDA_Link: https://www.snapeda.com/parts/SS-641010S-A-NF/Stewart+Connector/view-part/?ref=snap
L1-L7 = -: ki_fp_filters: Choke_* *Coil* Inductor_* L_*
R4-R281 = -: ki_fp_filters: R_*
SW3 = -: ki_fp_filters: SW?DIP?x1*
TP1-TP14 = -: ki_fp_filters: Pin* Test*
U2-U4 = -: Datasheet: https://www.analog.com/media/en/technical-documentation/data-sheets/ADP5070.pdf; ki_fp_filters: ETSSOP*1EP?4.4x6.5mm?P0.65mm?EP3x4.2mm*
U5 = -: Description: 1-A, high-PSRR, negative, adjustable low-dropout voltage regulator with enable; Availability: In Stock; Check_prices: https://www.snapeda.com/parts/TPS7A3301RGWR/Texas+Instruments/view-part/?ref=eda; MF: Texas Instruments; Package: VQFN-20 Texas Instruments; Price: None; Purchase-URL: https://www.snapeda.com/api/url_track_click_mouser/?unipart_id=566218&manufacturer=Texas Instruments&part_name=TPS7A3301RGWR&search_term=tps7a33; SnapEDA_Link: https://www.snapeda.com/parts/TPS7A3301RGWR/Texas+Instruments/view-part/?ref=snap
U6 U8 = -: Datasheet: https://www.analog.com/media/en/technical-documentation/data-sheets/ADP7142.pdf; ki_fp_filters: TSOT?23*
U7 U9 = -: Datasheet: https://www.analog.com/media/en/technical-documentation/data-sheets/ADP7182.pdf; ki_fp_filters: TSOT?23*
U10 = -: Description: 1-A, 36-V, low-noise, high-PSRR, low-dropout voltage regulator with enable; Availability: In Stock; Check_prices: https://www.snapeda.com/parts/TPS7A4701RGWR/Texas+Instruments/view-part/?ref=eda; MANUFACTURER: Texas Instruments; MAXIMUM_PACKAGE_HEIGHT: 1.00mm; MF: Texas Instruments; PARTREV: 4204100/C 07/11; Package: VQFN-20 Texas Instruments; Price: None; Purchase-URL: https://www.snapeda.com/api/url_track_click_mouser/?unipart_id=556551&manufacturer=Texas Instruments&part_name=TPS7A4701RGWR&search_term=tps7a4701; STANDARD: IPC-7351B; SnapEDA_Link: https://www.snapeda.com/parts/TPS7A4701RGWR/Texas+Instruments/view-part/?ref=snap
